# Altium PCB Hrafn.PcbDoc (part 3 of 5)
Units mm, origin at the board's own origin, x right, y up, seen from the top; angles counter-clockwise.
Board outline 85 x 94.73 mm, 8 copper layers (Top Layer, GND Top, Internal Top, PWR Top, PWR Bottom, Internal Bottom, GND Bottom, Bottom Layer), stack 1.525 mm thick; 391 components, 237 nets, 1268 pads, 1166 vias.
Unrouted connection lines stored in the file: 2.
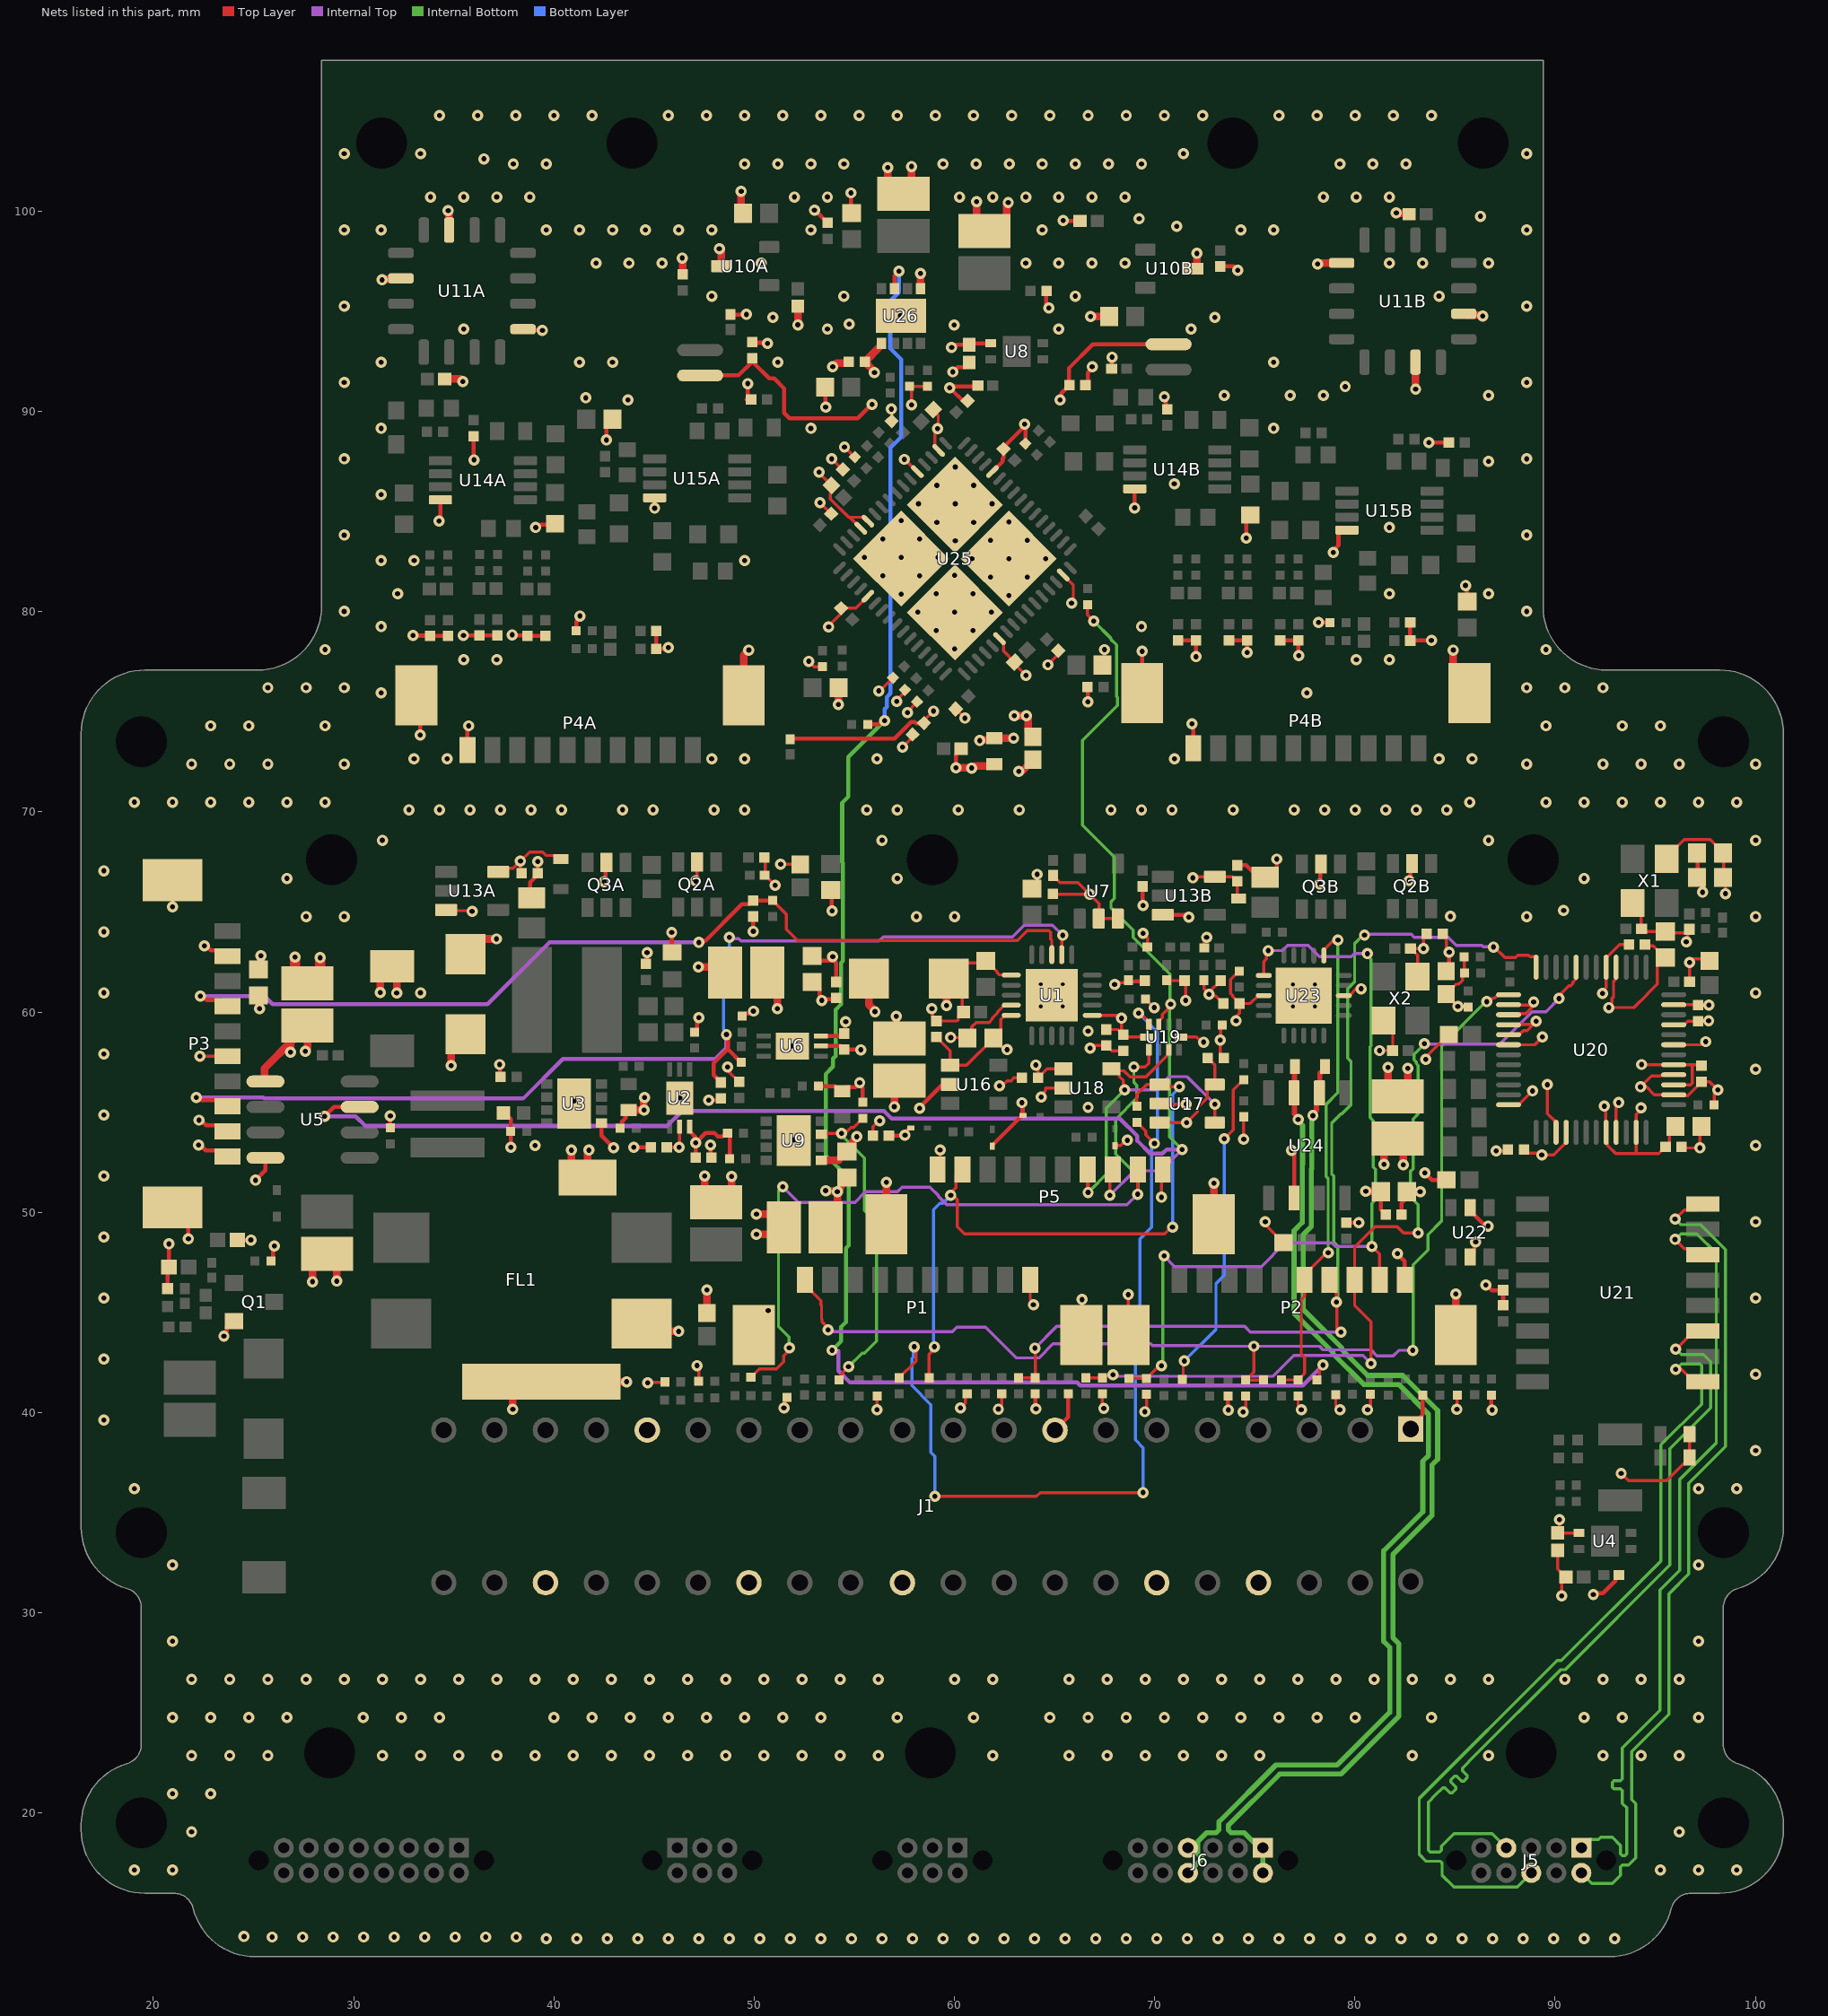
[diagram p9: the nets of this part, all layers, seen from the top]

## Via types
v1: diameter 0.559, hole 0.254, Top Layer to Bottom Layer, 1120 vias
v2: diameter 0.6, hole 0.25, Top Layer to Bottom Layer, 36 vias
v3: diameter 0.5, hole 0.2, Top Layer to Bottom Layer, 8 vias
v4: diameter 0.61, hole 0.254, Top Layer to Bottom Layer, 2 vias

## Nets (pads, with @x,y where several pads share a name; then routed paths per layer and width w, separated by ;. In a path a pad name is that pad's centre, name@x,y a point inside that pad or via, vN(x,y) a via of type N, cw(c..) or ccw(c..) an arc to the next point about the centre after c; other vN are vias at no path point) (continued)
A5V: C17.2 C30.2 C40A.1 C40B.1 C98.2 FB2.1 R50.2 U8.1 U12A.1 U12B.1 U26.1 | length 31.9
  Top Layer w0.152: C17.2@58.468,74.426 58.468,74.546 v1(58.953,75.032)
  Top Layer w0.203: U12A.1@47.302,91.796 49.216,91.796 49.861,92.441 49.911,92.441 49.961,92.441 50.758,91.644 51.001,91.644 51.5,91.145 51.5,89.919 51.757,89.662 55.176,89.662 55.862,90.348 v1(55.88,90.348) ; R50.2@51.8,73.65 57.001,73.65 57.836,74.485 58.025,74.485 58.098,74.412 58.454,74.412 C17.2@58.468,74.426 ; v1(59.862,93.195) 59.958,93.195 60.092,93.328 C30.2@60.737,93.328 60.81,93.401 U8.1@61.816,93.401 ; v1(65.278,90.576) 65.346,90.644 65.346,90.917 65.604,91.175 65.604,91.451 65.713,91.561 65.713,92.155 66.916,93.357 U12B.1@70.693,93.357
  Top Layer w0.381: v1(56.007,91.944) 55.973,91.978 55.973,92.036 C98.2@55.528,92.481 56.308,93.262 56.308,93.353 U26.1@56.353,93.397 ; v1(62.992,74.803) v1(63.602,74.803) 63.602,74.755 63.686,74.67 63.686,73.99 FB2.1@63.925,73.751
A_N: J5.1 U21.14 | length 40.3
  Top Layer w0.152: v1(95.987,48.641) 96.445,48.183 97.074,48.183 U21.14@97.378,47.879
  Internal Bottom w0.152: J5.1@91.308,18.253 91.732,18.677 92.163,18.677 92.267,18.781 92.85,18.781 93.262,18.369 93.262,17.946 93.351,17.857 93.477,17.857 93.566,17.946 93.566,20.265 93.358,20.473 93.358,21.031 93.358,21.107 93.268,21.197 92.931,21.197 92.85,21.278 92.85,21.522 92.931,21.603 93.268,21.603 93.358,21.692 93.358,22.581 93.358,23.249 95.225,25.116 95.225,31.128 96.215,32.119 96.215,36.652 98.044,38.481 98.044,47.955 97.079,48.92 96.279,48.92 96,48.641 v1(95.987,48.641)
A_P: J5.2 U21.16 | length 41
  Top Layer w0.152: v1(95.987,49.657) 96.445,50.115 97.074,50.115 U21.16@97.378,50.419
  Internal Bottom w0.152: J5.2@91.308,17.003 91.837,16.475 92.85,16.475 93.262,16.887 93.262,17.31 93.351,17.4 93.667,17.4 94.024,17.757 94.024,20.454 93.815,20.663 93.815,23.06 95.682,24.927 95.682,30.939 96.672,31.93 96.672,36.463 98.501,38.292 98.501,48.145 97.268,49.378 96.279,49.378 96,49.657 v1(95.987,49.657)
AGND: C17.1 C28.1 C29.1 C30.1 C40A.2 C40B.2 C42A.1 C42B.1 C43A.1 C43B.1 C44A.1 C44B.1 C46A.1 C46B.1 C51A.1 C51B.1 C52A.1 C52B.1 C53A.1 C53B.1 C81.1 C82.1 C83.1 C84.1 C85.1 C86.1 C87.1 C88.2 C89.1 C90.1 C91.1 C92.1 C93.1 C94.1 C95.1 C96.2 C97.1 C98.1 C100A.1 C100B.1 C100C.1 C100D.1 C100E.1 C100F.1 C100G.1 C100H.1 C101A.1 C101B.1 C101C.1 C101D.1 C101E.1 C101F.1 C101G.1 C101H.1 P4A.10 P4A.MP1 P4A.MP2 P4B.10 P4B.MP1 P4B.MP2 R58.1 R77.1 R83A.1 R83B.1 R96A.1 R96B.1 R119.2 R120.2 R121.2 R122.2 R123.2 R127.1 R128.1 R130D.1 R130H.1 R132.1 R134.1 U10A.3 U10B.3 U11A.5 U11A.11 U11A.14 U11B.5 U11B.11 U11B.14 U14A.4 U14B.4 U15A.4 U15B.4 U25.0 U25.5 U25.22 U25.31 U25.44 U25.50 U25.53 U25.60 U25.61 U26.5 U26.9 | length 106.7
  Top Layer w0.152: v1(52.73,77.521) 53.003,77.248 R132.1@53.416,77.248 ; v1(53.238,86.97) 53.238,86.929 C93.1@53.859,86.308 53.873,86.294 53.873,85.964 53.812,85.902 53.812,85.63 54.729,84.713 54.775,84.713 ; v1(53.289,85.446) 53.846,84.889 C82.1@53.846,84.887 ; v1(53.721,79.229) 53.721,79.29 54.34,79.909 C87.1@54.34,80.169 54.816,80.169 54.821,80.174 55.08,80.174 U25.5@55.677,80.771 ; v1(53.873,87.63) 54.403,87.1 C83.1@54.429,87.1 ; v1(54.508,88.214) 54.526,88.214 55,87.74 55,87.722 R119.2@55.035,87.722 ; U25.61@55.323,84.165 54.775,84.713 ; U25.60@55.677,84.519 55.482,84.713 54.775,84.713 ; v1(56.219,76.04) 56.274,76.04 R120.2@56.931,76.697 ; v1(56.844,90.116) 56.867,90.093 C84.1@56.867,89.513 ; v1(57.125,75.514) 57.125,75.602 57.469,75.947 57.503,75.947 57.531,75.92 R121.2@57.531,76.097 ; v1(57.404,73.228) 57.916,73.741 C17.1@57.916,73.874 ; v1(57.506,87.605) 57.523,87.605 58.134,86.994 U25.53@58.152,86.994 ; v1(57.656,74.96) 57.656,74.991 58.131,75.465 R122.2@58.131,75.497 ; v1(57.86,90.322) 57.86,91.103 57.761,91.202 57.811,91.252 R127.1@58.661,91.252 ; C92.1@58.953,90.093 58.953,90.024 59.193,89.784 59.193,89.181 v1(59.154,89.143) 59.154,89.033 59.018,88.896 59.018,88.249 U25.50@59.212,88.054 ; R123.2@60.059,75.134 60.066,75.134 v1(60.52,74.679) ; U25.22@62.253,78.65 62.447,78.455 62.447,78.038 C91.1@63.009,77.475 63.009,77.376 v1(63.576,76.81) ; v1(64.668,77.343) 65.185,77.86 C81.1@65.185,78.044 ; U25.31@65.435,81.832 65.938,81.328 65.938,80.507 v1(65.848,80.416)
  Top Layer w0.203: v1(32.969,78.816) 32.987,78.798 33.791,78.798 C101A.1@33.809,78.78 C100A.1@34.709,78.78 ; P4A.MP2@33.132,75.826 33.325,75.633 v1(33.325,73.838) ; v1(34.265,84.531) 34.331,84.598 U14A.4@34.331,85.585 ; v1(35.484,78.816) 35.489,78.811 36.279,78.811 C101B.1@36.284,78.806 C100B.1@37.184,78.806 ; P4A.10@35.682,73.076 35.682,74.239 v1(35.738,74.295) ; C51A.1@35.996,88.757 35.996,87.601 v1(36.017,87.579) ; v1(37.922,78.842) 37.953,78.811 38.653,78.811 C101C.1@38.684,78.78 C100C.1@39.584,78.78 ; U11A.5@38.456,94.107 38.484,94.078 39.399,94.078 v1(39.427,94.05) ; v1(39.091,84.201) 39.187,84.201 39.329,84.343 39.776,84.343 39.881,84.448 39.998,84.448 R96A.1@40.056,84.389 ; R130D.1@41.118,79.041 41.118,79.503 41.3,79.685 v1(41.3,79.781) ; v1(42.621,88.57) 42.621,89.317 C53A.1@42.916,89.611 ; v1(45.031,85.166) U15A.4@45.031,85.685 ; C100D.1@45.118,79.041 C101D.1@45.118,78.141 45.655,78.141 v1(45.72,78.207) ; R83A.1@48.819,94.838 49.6,94.838 v1(49.606,94.844) ; C52A.1@49.621,90.6 49.682,90.661 v1@49.682,91.415 ; C40A.2@49.911,93.466 49.946,93.431 50.638,93.431 v1(50.673,93.396) ; v1(53.01,100.051) 53.035,100.051 C95.1@53.67,99.416 ; C85.1@53.554,91.211 53.554,90.236 v1(53.569,90.221) ; v1(54.839,100.914) 54.839,100.025 C97.1@54.861,100.002 ; v1(59.919,91.973) 60.155,92.21 60.519,92.21 60.737,92.428 C30.1@60.737,92.448 ; C94.1@60.659,90.529 60.435,90.529 60.202,90.761 60.179,90.761 v1(59.766,91.174) 59.83,91.238 61.12,91.238 R77.1@61.169,91.288 ; U25.44@61.899,86.994 62.417,87.512 62.417,87.65 62.448,87.68 62.448,88.213 63.5,89.265 v1(63.5,89.357) 63.547,89.31 R134.1@63.547,88.395 ; C90.1@64.59,96.025 64.59,95.399 64.719,95.27 v1(64.719,95.174) ; v1(65.43,99.543) 65.456,99.517 C44B.1@66.27,99.517 ; v1(66.658,75.497) C29.1@66.658,76.233 ; C40B.2@66.665,91.262 66.665,91.944 66.878,92.157 v1(66.878,92.227) ; C28.1@67.488,77.342 v1(67.488,78.105) ; R83B.1@67.849,92.126 67.849,92.691 v1(67.869,92.71) ; v1(69.003,85.183) U14B.4@69.003,86.133 ; P4B.MP2@69.378,75.922 v1(69.378,78.018) ; v1(70.485,90.729) 70.553,90.661 70.553,90.266 70.538,90.251 70.485,90.251 C51B.1@70.628,90.108 ; C101E.1@71.161,78.57 C100E.1@72.061,78.57 v1(72.061,77.748) ; v1(71.857,74.397) 71.928,74.325 P4B.10@71.928,73.172 ; C43B.1@73.279,97.248 73.948,97.248 v1(74.143,97.053) ; C101F.1@73.713,78.57 C100F.1@74.613,78.57 v1(74.613,77.964) ; v1(74.574,83.668) 74.574,84.618 R96B.1@74.778,84.821 ; C101G.1@76.266,78.57 C100G.1@77.166,78.57 77.178,78.557 77.178,77.813 v1(77.191,77.8) ; v1@78.152,79.455 R130H.1@78.761,79.455 ; v1(78.918,82.956) 78.918,83.053 79.178,83.313 79.178,83.95 79.301,84.074 U15B.4@79.602,84.074 ; C100H.1@82.761,79.455 C101H.1@82.761,78.555 83.813,78.555 v1(83.82,78.562) ; v1(83.699,88.443) C52B.1@84.465,88.443 ; v1(85.522,81.305) 85.606,81.221 C53B.1@85.606,80.608
  Top Layer w0.381: v1(31.42,96.571) 31.454,96.605 32.317,96.605 U11A.14@32.36,96.647 ; C46A.1@34.542,91.618 35.331,91.618 v1(35.458,91.491) ; v1(34.722,100.025) 34.747,100 34.747,99.085 U11A.11@34.773,99.06 ; v1(46.406,97.663) 46.431,97.638 C43A.1@46.431,96.834 ; v1(48.26,98.12) 48.349,98.031 U10A.3@48.349,97.257 ; C42A.1@49.339,99.898 49.339,100.977 v1(49.352,100.99) ; P4A.MP1@49.482,75.826 49.482,77.828 v1(49.733,78.08) ; v1(52.181,94.326) C44A.1@52.181,95.26 ; v1(53.924,92.227) 54.109,92.412 54.659,92.412 C98.1@54.728,92.481 ; v1(54.204,75.362) 54.211,75.369 54.211,76.092 C89.1@54.29,76.171 ; v1(56.667,102.184) 56.667,101.534 57.328,100.873 C96.2@57.455,100.873 ; v1(57.302,94.793) U26.9@57.328,94.767 ; C96.2@57.53,100.797 57.861,101.128 v1(57.861,102.235) ; U26.5@58.303,96.137 58.307,96.141 58.307,96.889 v1(58.311,96.893) ; v1(61.112,100.482) 61.112,99.388 C88.2@61.5,99.001 61.952,99.001 62.613,99.662 62.613,100.357 v1(62.687,100.432) ; v1(61.27,73.559) 61.304,73.593 61.918,73.593 R58.1@62,73.675 v1(62.956,73.675) ; v1(66.798,94.738) C42B.1@67.63,94.739 ; U10B.3@71.939,97.13 72.001,97.13 72.111,97.239 v1(72.111,97.892) ; v1(78.13,97.358) 78.188,97.416 U11B.5@79.338,97.416 ; v1(82.067,99.924) 82.101,99.89 82.662,99.89 C46B.1@82.704,99.847 ; U11B.11@83.021,92.463 83.021,91.121 v1(83.033,91.11) ; v1(84.912,78.08) 84.912,76.738 P4B.MP1@85.728,75.922 ; U11B.14@85.434,94.876 85.498,94.812 86.292,94.812 86.337,94.767 v1(86.385,94.767)
  Internal Top w0.152: v1@65.848,80.326 v1(65.848,80.416)
  other v1: 33.02,72.644 34.671,72.644 47.879,72.644 49.53,72.644 56.134,72.644 70.993,72.644 84.201,72.644 85.852,72.644 31.369,75.946 77.597,75.946 35.496,77.597 37.148,77.597 80.073,77.597 81.724,77.597 31.369,79.248 69.342,79.248 78.178,79.455 32.194,80.899 81.724,80.899 86.677,80.899 31.369,82.55 33.02,82.55 49.53,82.55 81.724,84.201 31.369,85.852 70.98,86.385 86.677,87.503 31.369,89.154 52.832,89.154 75.946,89.154 43.701,90.576 41.593,90.678 73.469,90.805 76.772,90.805 78.422,90.805 86.677,90.805 79.515,91.237 49.682,91.389 31.369,92.456 41.275,92.456 42.926,92.456 51.181,92.456 75.946,92.456 35.496,94.107 53.657,94.107 65.215,94.107 71.819,94.107 59.982,94.31 54.75,94.361 50.94,94.691 73.012,94.691 47.879,95.758 54.483,95.758 66.04,95.758 84.201,95.758 42.1,97.409 43.752,97.409 45.402,97.409 50.355,97.409 63.563,97.409 65.215,97.409 66.865,97.409 68.516,97.409 81.724,97.409 83.376,97.409 86.677,97.409 31.369,99.06 39.624,99.06 41.275,99.06 42.926,99.06 44.577,99.06 46.228,99.06 47.879,99.06 52.832,99.06 64.389,99.06 74.295,99.06 75.946,99.06 71.107,99.238 69.228,99.619 86.271,99.746 33.846,100.711 35.496,100.711 37.148,100.711 38.798,100.711 52.006,100.711 53.657,100.711 60.261,100.711 61.912,100.711 63.563,100.711 65.215,100.711 66.865,100.711 68.516,100.711 78.422,100.711 80.073,100.711 81.724,100.711 37.973,102.362 39.624,102.362 49.53,102.362 51.181,102.362 52.832,102.362 54.483,102.362 59.436,102.362 61.087,102.362 62.738,102.362 64.389,102.362 66.04,102.362 67.691,102.362 69.342,102.362 79.248,102.362 80.899,102.362 82.55,102.362 36.5,102.616
  other v2: 60.008,78.137 59.088,79.056 60.927,79.056 58.169,79.976 60.008,79.976 61.846,79.976 62.712,80.806 57.338,80.877 59.088,80.895 60.927,80.895 61.793,81.726 63.632,81.726 56.419,81.796 58.258,81.796 60.008,81.814 60.874,82.645 62.712,82.645 64.551,82.645 55.5,82.716 57.338,82.716 59.177,82.716 60.043,83.546 61.793,83.564 63.632,83.564 56.419,83.635 58.258,83.635 59.124,84.466 60.962,84.466 62.712,84.483 57.338,84.554 58.205,85.385 60.043,85.385 61.882,85.385 59.124,86.304 60.962,86.304 60.043,87.223
B_N: J5.6 U21.9 | length 40.4
  Top Layer w0.152: v1(96.012,42.151) 96.09,42.229 96.216,42.229 96.224,42.237 96.933,41.529 U21.9@97.378,41.529
  Internal Bottom w0.152: J5.6@88.808,17.003 88.105,16.3 84.942,16.3 84.355,16.887 84.355,17.494 84.266,17.584 83.567,17.584 83.21,17.941 83.21,20.722 90.098,27.61 90.311,27.61 95.275,32.574 95.275,38.379 97.307,40.411 97.307,42.341 97.218,42.431 96.304,42.431 96.025,42.151 v1(96.012,42.151)
B_P: J5.7 U21.11 | length 40.5
  Top Layer w0.152: v1(96.012,43.167) 96.031,43.167 96.933,44.069 U21.11@97.378,44.069
  Internal Bottom w0.152: J5.7@87.558,18.253 86.855,18.956 84.942,18.956 84.328,18.342 84.328,18.13 84.239,18.041 83.757,18.041 83.668,18.13 83.668,20.533 84.039,20.904 84.38,21.245 84.506,21.245 84.745,21.006 84.86,21.006 85.032,21.179 85.032,21.294 84.788,21.538 84.788,21.653 84.96,21.825 85.075,21.825 85.32,21.581 85.435,21.581 85.607,21.754 85.607,21.868 85.368,22.107 85.368,22.233 85.987,22.852 90.288,27.153 90.5,27.153 95.733,32.385 95.733,38.19 97.765,40.222 97.765,42.531 97.408,42.888 96.304,42.888 96.025,43.167 v1(96.012,43.167)
CAN_CSb: P2.9 R17.2 R37.1 U23.16 | length 42
  Top Layer w0.152: R17.2@68.707,41.7 R37.1@69.596,41.7 70.227,42.332 v1(70.333,42.332) ; U23.16@75.447,61.827 75.447,62.509 75.589,62.651 75.589,62.99 v1(75.667,63.068) ; v1(80.85,48.294) 81.237,47.907 P2.9@81.237,46.627
  Internal Top w0.152: v1(70.472,47.816) 70.998,47.29 75.328,47.29 76.501,48.463 78.864,48.463 79.033,48.294 v1(80.85,48.294) ; v1(75.667,63.068) 76.372,63.068 76.634,63.33 77.661,63.33 78.228,62.763 79.821,62.763 79.973,62.916 v1(80.62,62.916)
  Internal Bottom w0.152: v1(70.333,42.332) 70.402,42.402 70.402,47.746 v1(70.472,47.816) ; v1(80.62,62.916) 80.62,62.806 80.797,62.628 80.797,58.32 80.75,58.273 80.75,54.735 80.923,54.563 80.923,52.253 81.026,52.15 81.026,50.624 80.85,50.448 v1(80.85,48.294)
CAN_INT: P2.6 R22.2 R44.1 U23.11 | length 25.1
  Top Layer w0.152: R22.2@76.337,41.627 R44.1@77.162,41.627 77.487,41.952 77.487,42.746 77.318,42.915 77.318,45.632 77.487,45.801 77.487,46.877 78.591,47.981 v1(78.664,47.981) ; U23.11@78.447,62.827 78.447,63.102 78.937,63.592 v1(79.152,63.592)
  Internal Bottom w0.152: v1(78.664,47.981) 78.664,51.687 78.562,51.789 78.562,55.386 79.152,55.976 v1(79.152,63.592)
CAN_n: J6.1 J6.2 R61.1 U24.6 | length 52
  Top Layer w0.254: v1(77.902,54.827) 77.902,54.91 78.084,55.092 78.084,55.817 78.251,55.984 78.251,56.955 78.268,56.971 78.318,56.971 78.499,57.152 R61.1@78.499,57.277
  Internal Bottom w0.254: J6.2@75.408,17.003 75.408,18.07 74.471,19.007 73.819,19.007 73.671,19.156 73.671,19.366 76.24,21.936 79.301,21.936 82.194,24.83 82.194,28.455 81.893,28.756 81.893,32.898 83.845,34.85 83.845,37.375 84.129,37.658 84.129,40.105 82.385,41.848 80.714,41.848 80.638,41.848 79.352,43.135 79.352,43.211 77.419,45.143 77.419,48.888 77.826,49.294 77.826,52.141 77.843,52.159 77.843,54.769 v1(77.902,54.827)
CAN_p: J6.7 J6.8 R61.2 U24.7 | length 51.9
  Top Layer w0.254: U24.7@76.962,55.965 U24.7@76.968,55.959 ; R61.2@76.999,57.277 76.981,57.258 76.981,55.972 U24.7@76.968,55.959 ; v1(77.165,54.635) 77.165,54.718 76.986,54.897 76.986,55.941 U24.7@76.968,55.959
  Internal Bottom w0.254: J6.8@71.658,17.003 72.375,17.72 72.154,17.941 72.154,18.566 72.596,19.007 73.065,19.007 73.213,19.156 73.213,19.556 76.051,22.394 79.112,22.394 81.737,25.019 81.737,28.265 81.436,28.566 81.436,33.088 83.388,35.04 83.388,37.565 83.671,37.848 83.671,39.916 82.196,41.391 80.449,41.391 78.895,42.945 78.895,43.021 76.962,44.954 76.962,49.077 77.368,49.484 77.368,52.377 77.386,52.394 77.386,54.334 77.165,54.555 v1(77.165,54.635)
CAN_SLP: R19.2 R114.2 | length 16.2
  Top Layer w0.152: R19.2@71.374,41.65 71.425,41.7 71.425,42.52 v1(71.476,42.57) ; v1(73.482,53.67) 73.929,54.117 73.929,56.105 R114.2@74.447,56.623
  Bottom Layer w0.152: v1(71.476,42.57) 73.063,44.158 73.063,46.444 73.482,46.863 v1(73.482,53.67)
CLK: P5.8 R125.1 U5.7 U19.8 | length 84.4
  Top Layer w0.152: R125.1@66.65,80.347 66.65,79.832 v1(66.954,79.527) ; v1(67.767,50.851) 67.767,52.007 P5.8@67.907,52.146 ; U19.8@70.21,59.388 70.21,59.55 70.381,59.722 70.381,59.869 70.798,60.286 v1(70.798,60.385)
  Top Layer w0.203: v1(28.55,54.788) 29.022,55.26 U5.7@30.3,55.26 U5.7@30.264,55.296
  Internal Top w0.152: v1(67.767,50.851) 68.986,52.069 70.306,52.069 v1(71.374,53.137)
  Internal Top w0.203: v1(28.55,54.788) 30.104,54.788 30.583,54.31 45.649,54.31 46.406,55.067 56.482,55.067 56.863,54.686 68.257,54.686 69.139,53.804 69.139,53.568 69.779,52.927 70.39,52.927 70.599,53.137 v1(71.374,53.137)
  Internal Bottom w0.152: v1(66.954,79.527) 67.818,78.664 67.818,78.61 68.097,78.33 68.097,75.765 68.148,75.714 68.148,75.314 66.396,73.562 66.396,69.332 67.987,67.741 67.987,65.676 67.818,65.507 67.818,65.202 68.936,64.084 68.936,63.732 70.764,61.903 70.764,60.419 v1(70.798,60.385) 70.742,60.33 70.742,53.768 v1(71.374,53.137)
CLK_GOOD: P5.2 R11.2 R138.2 U17.1 | length 34.1
  Top Layer w0.152: R11.2@58.737,41.727 58.737,42.904 59.004,43.172 v1(59.004,43.282) ; 60.142,50.635 59.927,50.851 v1(59.817,50.851) 59.817,50.961 60.083,51.227 60.083,51.822 P5.2@60.407,52.146 ; 60.143,50.635 60.143,49.286 60.503,48.925 70.499,48.925 70.824,49.251 v1(70.891,49.251) ; R138.2@69.113,55.289 69.113,55.88 69.61,56.377 U17.1@70.252,56.377 70.354,56.275 v1(71.225,56.275)
  Bottom Layer w0.152: v1(59.004,43.282) 58.95,43.336 58.95,50.125 59.274,50.449 59.415,50.449 v1(59.817,50.851) ; v1(70.891,49.251) 70.891,55.89 71.225,56.224 v1(71.225,56.275)
CLK_PRI: P5.7 U17.4 U18.5 U19.3 | length 18.4
  Top Layer w0.152: v1(68.504,56.109) 68.426,56.186 68.426,56.584 68.223,56.786 68.223,56.911 U18.5@68.071,57.064 ; U19.3@70.71,58.113 70.661,58.064 70.661,57.864 69.566,56.769 68.761,56.769 68.466,57.064 U18.5@68.071,57.064 ; v1(73,55.4) 73.002,55.398 U17.4@73.002,54.477 ; U18.5@68.071,57.064 67.946,57.064 U18.5@67.85,57.16 67.975,57.16 U18.5@68.071,57.064
  Top Layer w0.203: P5.7@66.657,52.146 66.657,51.008 v1(66.675,50.99)
  Internal Top w0.152: v1(68.504,56.109) 70.028,56.109 70.691,56.772 71.628,56.772 v1(73,55.4)
  Internal Bottom w0.152: v1(66.675,50.99) 66.675,51.079 66.765,51.079 67.589,51.904 67.589,55.194 v1(68.504,56.109)
CLK_SEC: P5.9 R3.1 U19.1 | length 40.2
  Top Layer w0.152: R3.1@49.837,41.752 50.259,42.174 51.121,42.174 51.475,42.528 51.475,42.832 51.755,43.112 v1(51.755,43.236) ; v1(68.961,57.252) 69.52,57.252 69.71,57.441 U19.1@69.71,58.113 ; v1(69.15,50.9) 69.15,52.14 P5.9@69.157,52.146
  Internal Top w0.152: v1(51.425,51.275) 52.205,50.495 55.03,50.495 55.554,51.019 57.152,51.019 57.391,51.257 58.772,51.257 59.195,50.835 59.195,50.791 59.617,50.368 68.618,50.368 v1(69.15,50.9)
  Internal Bottom w0.152: v1(51.425,51.275) 51.217,51.067 51.217,44.29 51.737,43.77 51.737,43.255 v1(51.755,43.236) ; v1(68.961,57.252) 68.961,56.498 69.113,56.346 69.113,55.702 68.047,54.635 68.047,52.917 69.15,51.814 v1(69.15,50.9)
CLK_SEL: R10.2 R138.1 U19.9 | length 47.6
  Top Layer w0.152: R10.2@57.237,41.727 58.075,42.565 58.075,43.205 v1(57.998,43.282) ; v1(59.03,35.814) 64.095,35.814 64.281,36 v1(69.425,36) ; R138.1@69.113,54.489 69.56,54.043 69.56,53.865 v1(69.99,53.435) ; v1(69.19,59.944) 69.291,59.944 69.71,59.525 U19.9@69.71,59.388
  Bottom Layer w0.152: v1(57.998,43.282) 57.951,43.235 57.951,42.774 57.875,42.697 57.875,41.343 58.827,40.391 58.827,38.014 59.03,37.812 v1(59.03,35.814) ; v1(69.19,59.944) 70.129,59.004 70.129,53.575 v1(69.99,53.435) 69.85,53.296 69.85,49.247 69.266,48.664 69.266,44.148 69.034,43.915 69.034,38.633 69.425,38.242 v1(69.425,36)
CUR_MON_3V3: C20.2 P3.8 R66.2 U1.2 | length 57
  Top Layer w0.152: U1.2@65.362,62.865 65.362,63.791 v1(65.404,63.833)
  Top Layer w0.203: v1(22.15,55.725) 22.246,55.725 22.382,55.59 23.407,55.59 P3.8@23.705,55.291 ; C20.2@48.336,56.483 47.973,56.847 47.973,57.445 48.683,58.155 ; v1(48.616,58.877) 48.683,58.809 48.683,58.155 ; R66.2@49.352,57.487 48.683,58.155
  Internal Top w0.152: v1(48.765,63.735) 48.843,63.658 49.242,63.658 49.349,63.55 56.233,63.55 56.437,63.754 62.902,63.754 63.486,64.338 64.899,64.338 v1(65.404,63.833)
  Internal Top w0.203: v1(22.15,55.725) 25.488,55.725 25.536,55.677 38.463,55.677 40.444,57.658 48.057,57.658 48.616,58.217 v1(48.616,58.877)